# Altium PCB PCB.PcbDoc (part 5 of 11) (continued)
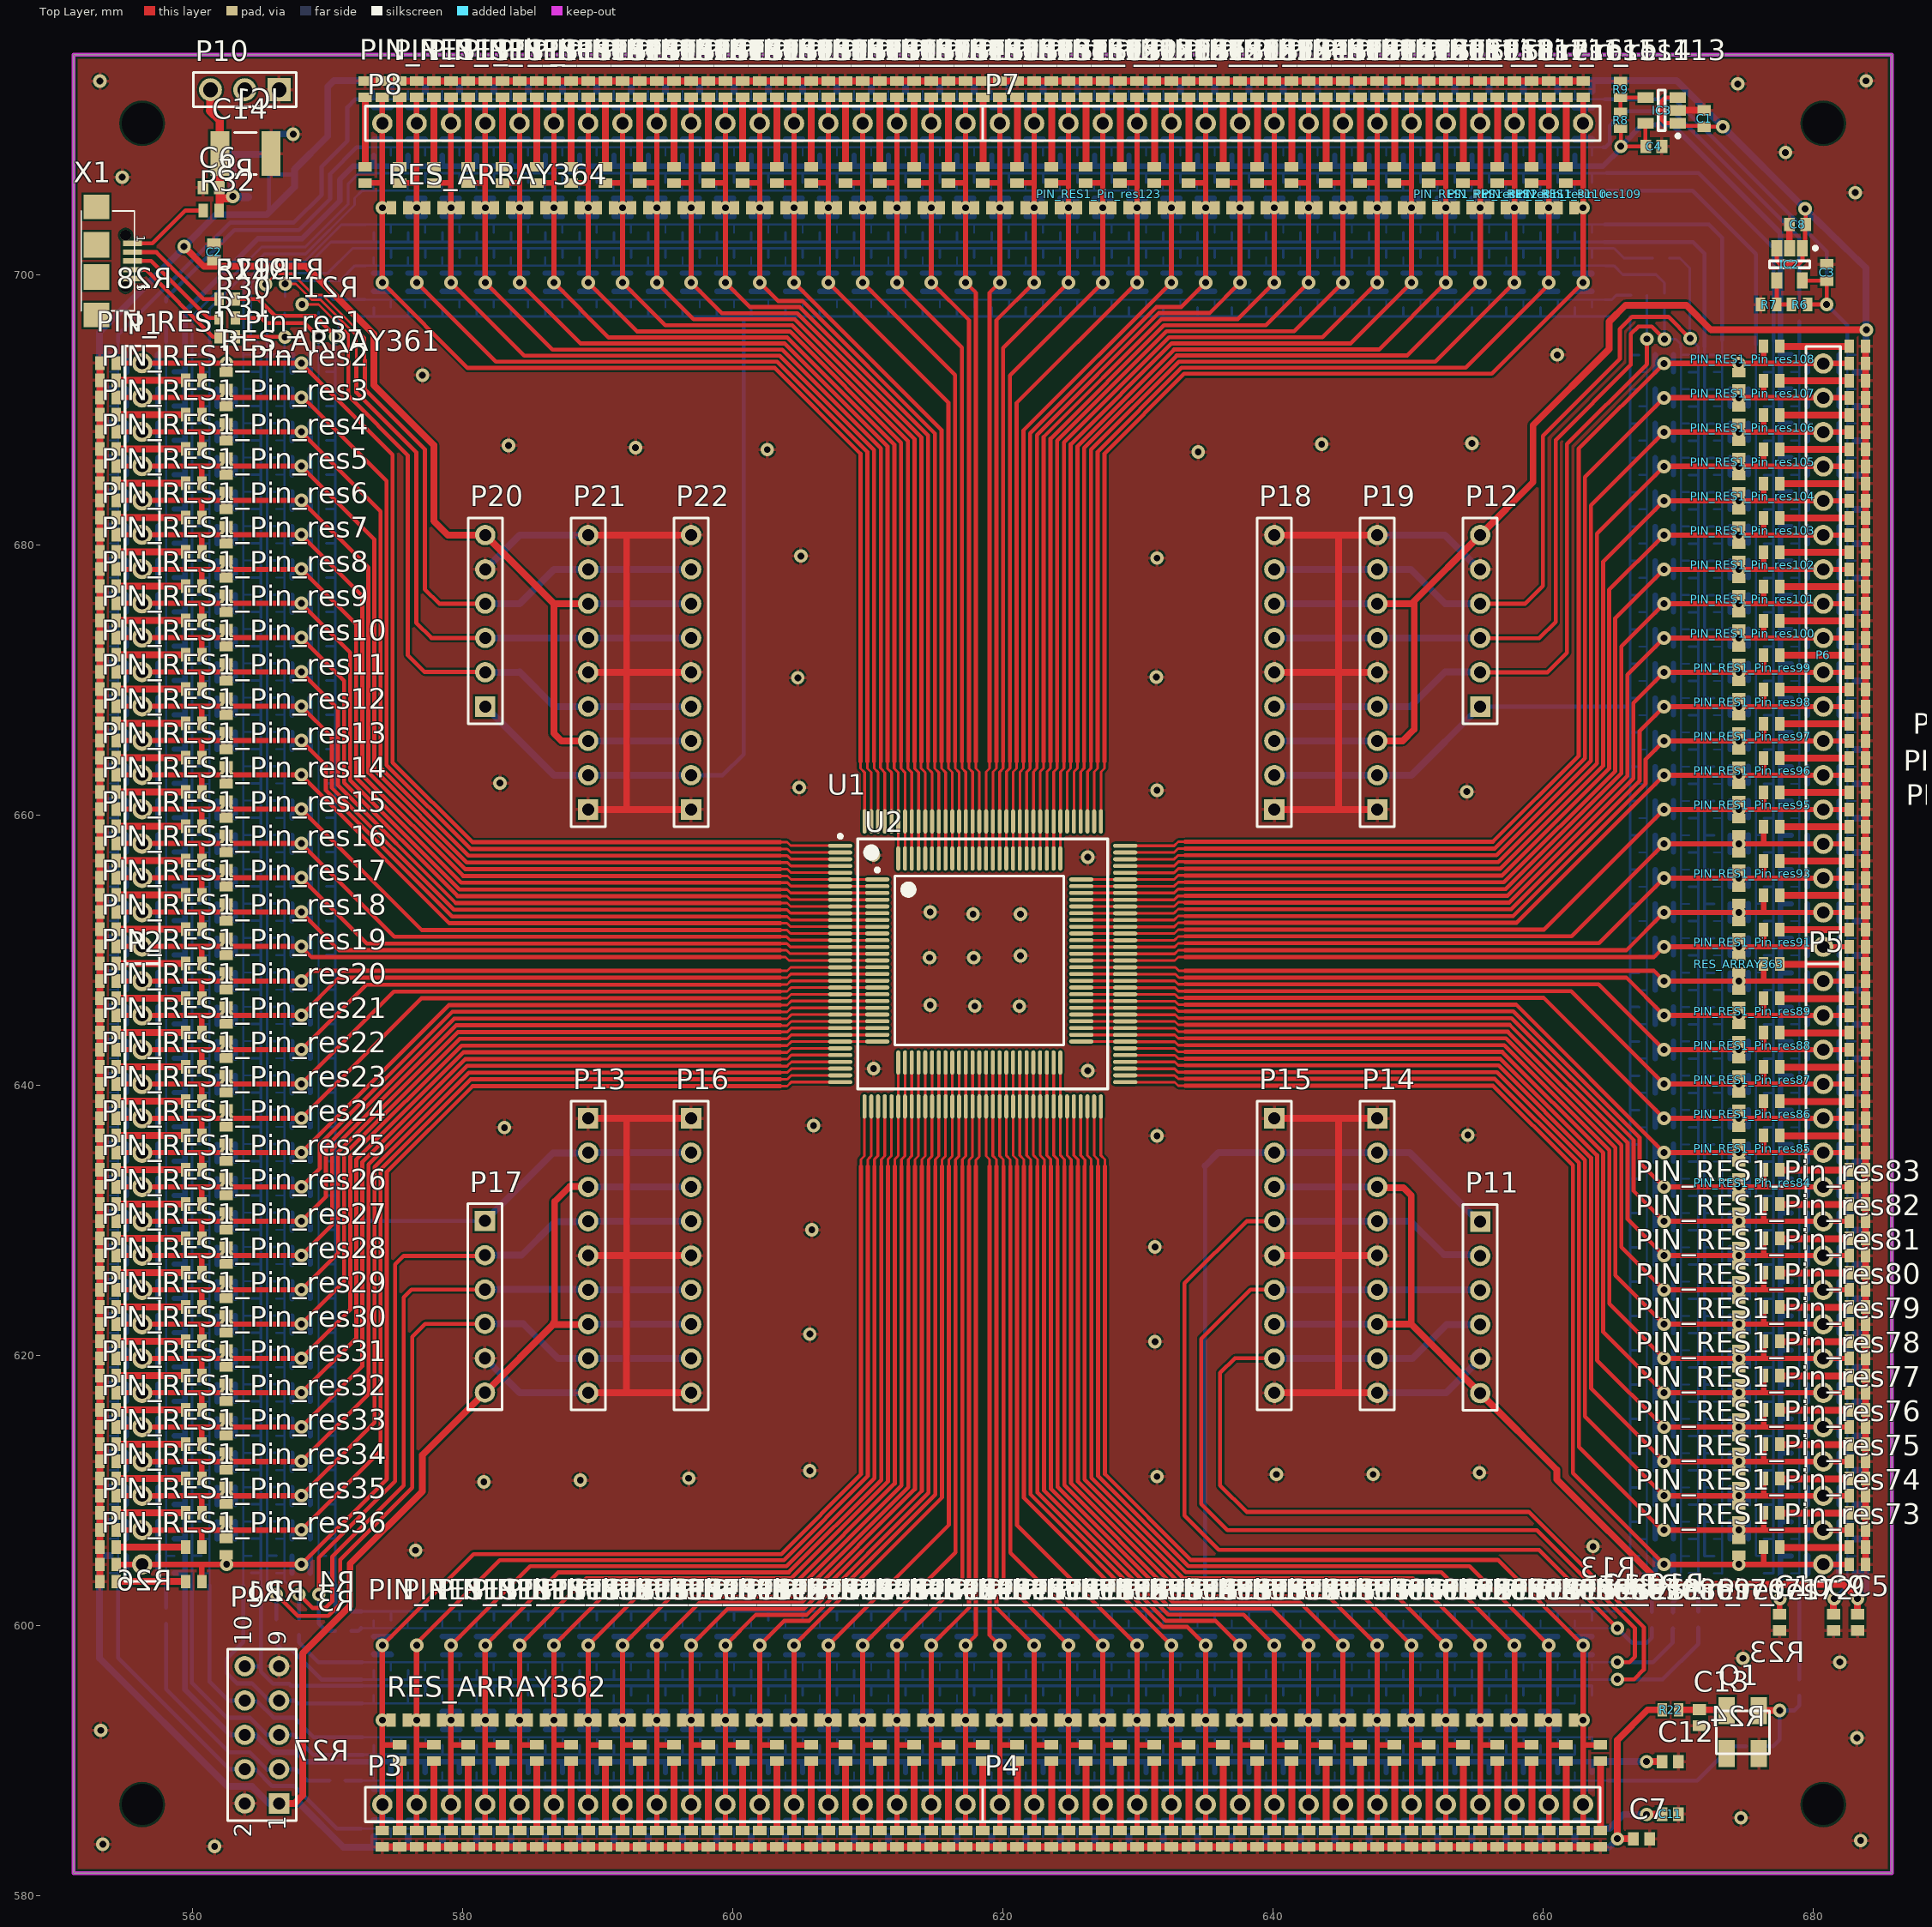
[diagram p0: Top Layer view]
## Nets (pads, with @x,y where several pads share a name; then routed paths per layer and width w, separated by ;. In a path a pad name is that pad's centre, name@x,y a point inside that pad or via, vN(x,y) a via of type N, cw(c..) or ccw(c..) an arc to the next point about the centre after c; other vN are vias at no path point) (continued)
IO8: P13.4 P16.4 P17.2 PIN_RES1_Pin_res1.12 PIN_RES1_Pin_res2.12 PIN_RES1_Pin_res3.12 PIN_RES1_Pin_res4.12 PIN_RES1_Pin_res5.12 PIN_RES1_Pin_res6.12 PIN_RES1_Pin_res7.12 PIN_RES1_Pin_res8.12 PIN_RES1_Pin_res9.12 PIN_RES1_Pin_res10.12 PIN_RES1_Pin_res11.12 PIN_RES1_Pin_res12.12 PIN_RES1_Pin_res13.12 PIN_RES1_Pin_res14.12 PIN_RES1_Pin_res15.12 PIN_RES1_Pin_res16.12 PIN_RES1_Pin_res17.12 PIN_RES1_Pin_res18.12 PIN_RES1_Pin_res19.12 PIN_RES1_Pin_res20.12 PIN_RES1_Pin_res21.12 PIN_RES1_Pin_res22.12 PIN_RES1_Pin_res23.12 PIN_RES1_Pin_res24.12 PIN_RES1_Pin_res25.12 PIN_RES1_Pin_res26.12 PIN_RES1_Pin_res27.12 PIN_RES1_Pin_res28.12 PIN_RES1_Pin_res29.12 PIN_RES1_Pin_res30.12 PIN_RES1_Pin_res31.12 PIN_RES1_Pin_res32.12 PIN_RES1_Pin_res33.12 PIN_RES1_Pin_res34.12 PIN_RES1_Pin_res35.12 PIN_RES1_Pin_res36.12 R3.1 R19.1 R30.1 | length 175.9
  Top Layer w0.3: R30.1@563.159,696.798 565.074,696.798 565.455,696.417 568.3,696.417 v1(569.316,695.401) ; v1(569.341,602.285) 569.341,605.028 574.98,610.667 574.98,626.72 575.615,627.355 581.584,627.355 P17.2@581.635,627.405
  Bottom Layer w0.15: v1@569.315,695.02 569.315,694.074 ; 569.325,650.926 PIN_RES1_Pin_res18.12@569.9,650.926 ; v1(569.341,602.285) 569.315,602.311 569.315,603.276 569.315,605.155 ; PIN_RES1_Pin_res36.12@569.89,605.155 569.315,605.155 ; PIN_RES1_Pin_res35.12@569.89,607.695 569.315,607.695 ; PIN_RES1_Pin_res34.12@569.89,610.235 569.315,610.235 ; PIN_RES1_Pin_res33.12@569.89,612.775 569.315,612.775 ; PIN_RES1_Pin_res32.12@569.89,615.315 569.315,615.315 ; PIN_RES1_Pin_res31.12@569.89,617.855 569.315,617.855 ; PIN_RES1_Pin_res30.12@569.89,620.395 569.315,620.395 ; PIN_RES1_Pin_res29.12@569.89,622.935 569.315,622.935 ; PIN_RES1_Pin_res28.12@569.89,625.475 569.315,625.475 ; PIN_RES1_Pin_res27.12@569.89,628.015 569.315,628.015 ; PIN_RES1_Pin_res26.12@569.89,630.555 569.315,630.555 ; PIN_RES1_Pin_res25.12@569.89,633.095 569.315,633.095 ; PIN_RES1_Pin_res24.12@569.89,635.635 569.315,635.635 ; PIN_RES1_Pin_res23.12@569.89,638.175 569.315,638.175 ; PIN_RES1_Pin_res22.12@569.89,640.715 569.315,640.715 ; PIN_RES1_Pin_res21.12@569.89,643.255 569.315,643.255 ; PIN_RES1_Pin_res20.12@569.89,645.795 569.315,645.795 ; PIN_RES1_Pin_res19.12@569.89,648.335 569.315,648.335 ; PIN_RES1_Pin_res17.12@569.89,653.44 569.315,653.44 ; PIN_RES1_Pin_res16.12@569.89,655.98 569.315,655.98 ; PIN_RES1_Pin_res15.12@569.89,658.52 569.315,658.52 ; PIN_RES1_Pin_res14.12@569.89,661.06 569.315,661.06 ; PIN_RES1_Pin_res13.12@569.89,663.6 569.315,663.6 ; PIN_RES1_Pin_res12.12@569.89,666.14 569.315,666.14 ; PIN_RES1_Pin_res11.12@569.89,668.68 569.315,668.68 ; PIN_RES1_Pin_res10.12@569.89,671.22 569.315,671.22 ; PIN_RES1_Pin_res9.12@569.89,673.76 569.315,673.76 ; PIN_RES1_Pin_res8.12@569.89,676.3 569.315,676.3 ; PIN_RES1_Pin_res7.12@569.89,678.84 569.315,678.84 ; PIN_RES1_Pin_res6.12@569.89,681.38 569.315,681.38 ; PIN_RES1_Pin_res5.12@569.89,683.92 569.315,683.92 ; PIN_RES1_Pin_res4.12@569.89,686.46 569.315,686.46 ; PIN_RES1_Pin_res3.12@569.89,689 569.315,689 ; PIN_RES1_Pin_res2.12@569.89,691.54 569.865,691.565 569.315,691.565 ; PIN_RES1_Pin_res1.12@569.89,694.08 569.322,694.08 569.315,694.074 ; 569.315,605.155 569.315,607.695 ; 569.315,607.695 569.315,610.235 ; 569.315,610.235 569.315,612.775 ; 569.315,612.775 569.315,615.315 ; 569.315,615.315 569.315,617.855 ; 569.315,617.855 569.315,620.395 ; 569.315,620.395 569.315,622.935 ; 569.315,622.935 569.315,625.475 ; 569.315,625.475 569.315,628.015 ; 569.315,628.015 569.315,630.555 ; 569.315,630.555 569.315,633.095 ; 569.315,633.095 569.315,635.635 ; 569.315,635.635 569.315,638.175 ; 569.315,638.175 569.315,640.715 ; 569.315,640.715 569.315,643.255 ; 569.315,643.255 569.315,645.795 ; 569.315,645.795 569.315,648.335 ; 569.315,648.335 569.315,653.44 ; 569.315,653.44 569.315,655.98 ; 569.315,655.98 569.315,658.52 ; 569.315,658.52 569.315,661.06 ; 569.315,661.06 569.315,663.6 ; 569.315,663.6 569.315,666.14 ; 569.315,666.14 569.315,668.68 ; 569.315,668.68 569.315,671.22 ; 569.315,671.22 569.315,673.76 ; 569.315,673.76 569.315,676.3 ; 569.315,676.3 569.315,678.84 ; 569.315,678.84 569.315,681.38 ; 569.315,681.38 569.315,683.92 ; 569.315,683.92 569.315,686.46 ; 569.315,686.46 569.315,689 ; 569.315,689 569.315,691.565 ; 569.315,691.565 569.315,694.074
  Bottom Layer w0.2: v1@569.315,695.02 v1(569.316,695.401) ; v1@569.315,695.427 R19.1@569.315,697.205
  Bottom Layer w0.3: v1(569.341,602.285) 569.341,600.126 569.874,599.592 R3.1@570.544,599.592
  Bottom Layer w0.5: P17.2@581.635,627.405 584.352,627.405 586.842,629.895 P13.4@589.28,629.895 ; P13.4@589.28,629.92 P16.4@596.9,629.92
IO8_1: P11.2 P14.4 P15.4 PIN_RES1_Pin_res37.12 PIN_RES1_Pin_res38.12 PIN_RES1_Pin_res39.12 PIN_RES1_Pin_res40.12 PIN_RES1_Pin_res41.12 PIN_RES1_Pin_res42.12 PIN_RES1_Pin_res43.12 PIN_RES1_Pin_res44.12 PIN_RES1_Pin_res45.12 PIN_RES1_Pin_res46.12 PIN_RES1_Pin_res47.12 PIN_RES1_Pin_res48.12 PIN_RES1_Pin_res49.12 PIN_RES1_Pin_res50.12 PIN_RES1_Pin_res51.12 PIN_RES1_Pin_res52.12 PIN_RES1_Pin_res53.12 PIN_RES1_Pin_res54.12 PIN_RES1_Pin_res55.12 PIN_RES1_Pin_res56.12 PIN_RES1_Pin_res57.12 PIN_RES1_Pin_res58.12 PIN_RES1_Pin_res59.12 PIN_RES1_Pin_res60.12 PIN_RES1_Pin_res61.12 PIN_RES1_Pin_res62.12 PIN_RES1_Pin_res63.12 PIN_RES1_Pin_res64.12 PIN_RES1_Pin_res65.12 PIN_RES1_Pin_res66.12 PIN_RES1_Pin_res67.12 PIN_RES1_Pin_res68.12 PIN_RES1_Pin_res69.12 PIN_RES1_Pin_res70.12 PIN_RES1_Pin_res71.12 PIN_RES1_Pin_res72.12 R3.2 R12.2 | length 196
  Top Layer w0.3: P15.4@640.08,629.92 638.023,629.92 633.425,625.323 633.425,608.127 635.965,605.587 659.689,605.587 v1(665.48,599.796)
  Bottom Layer w0.15: 572.465,599.795 573.405,599.795 573.412,599.795 ; PIN_RES1_Pin_res37.12@573.405,600.37 573.405,599.802 573.412,599.795 ; PIN_RES1_Pin_res38.12@575.945,600.37 575.92,600.345 575.92,599.795 ; PIN_RES1_Pin_res39.12@578.485,600.37 578.485,599.795 ; PIN_RES1_Pin_res40.12@581.025,600.37 581.025,599.795 ; PIN_RES1_Pin_res41.12@583.565,600.37 583.565,599.795 ; PIN_RES1_Pin_res42.12@586.105,600.37 586.105,599.795 ; PIN_RES1_Pin_res43.12@588.645,600.37 588.645,599.795 ; PIN_RES1_Pin_res44.12@591.185,600.37 591.185,599.795 ; PIN_RES1_Pin_res45.12@593.725,600.37 593.725,599.795 ; PIN_RES1_Pin_res46.12@596.265,600.37 596.265,599.795 ; PIN_RES1_Pin_res47.12@598.805,600.37 598.805,599.795 ; PIN_RES1_Pin_res48.12@601.345,600.37 601.345,599.795 ; PIN_RES1_Pin_res49.12@603.885,600.37 603.885,599.795 ; PIN_RES1_Pin_res50.12@606.425,600.37 606.425,599.795 ; PIN_RES1_Pin_res51.12@608.965,600.37 608.965,599.795 ; PIN_RES1_Pin_res52.12@611.505,600.37 611.505,599.795 ; PIN_RES1_Pin_res53.12@614.045,600.37 614.045,599.795 ; 616.56,599.805 PIN_RES1_Pin_res54.12@616.56,600.38 ; PIN_RES1_Pin_res55.12@619.15,600.37 619.15,599.795 ; PIN_RES1_Pin_res56.12@621.69,600.37 621.69,599.795 ; PIN_RES1_Pin_res57.12@624.23,600.37 624.23,599.795 ; PIN_RES1_Pin_res58.12@626.77,600.37 626.77,599.795 ; PIN_RES1_Pin_res59.12@629.31,600.37 629.31,599.795 ; PIN_RES1_Pin_res60.12@631.85,600.37 631.85,599.795 ; PIN_RES1_Pin_res61.12@634.39,600.37 634.39,599.795 ; PIN_RES1_Pin_res62.12@636.93,600.37 636.93,599.795 ; PIN_RES1_Pin_res63.12@639.47,600.37 639.47,599.795 ; PIN_RES1_Pin_res64.12@642.01,600.37 642.01,599.795 ; PIN_RES1_Pin_res65.12@644.55,600.37 644.55,599.795 ; PIN_RES1_Pin_res66.12@647.09,600.37 647.09,599.795 ; PIN_RES1_Pin_res67.12@649.63,600.37 649.63,599.795 ; PIN_RES1_Pin_res68.12@652.17,600.37 652.17,599.795 ; PIN_RES1_Pin_res69.12@654.71,600.37 654.71,599.795 ; PIN_RES1_Pin_res70.12@657.25,600.37 657.25,599.795 ; PIN_RES1_Pin_res71.12@659.79,600.37 659.79,599.795 ; PIN_RES1_Pin_res72.12@662.33,600.37 662.33,599.795 ; v1(665.48,599.796) 664.21,599.795 662.33,599.795 ; 573.412,599.795 575.92,599.795 ; 575.92,599.795 578.485,599.795 ; 578.485,599.795 581.025,599.795 ; 581.025,599.795 583.565,599.795 ; 583.565,599.795 586.105,599.795 ; 586.105,599.795 588.645,599.795 ; 588.645,599.795 591.185,599.795 ; 591.185,599.795 593.725,599.795 ; 593.725,599.795 596.265,599.795 ; 596.265,599.795 598.805,599.795 ; 598.805,599.795 601.345,599.795 ; 601.345,599.795 603.885,599.795 ; 603.885,599.795 606.425,599.795 ; 606.425,599.795 608.965,599.795 ; 608.965,599.795 611.505,599.795 ; 611.505,599.795 614.045,599.795 ; 614.045,599.795 619.15,599.795 ; 619.15,599.795 621.69,599.795 ; 621.69,599.795 624.23,599.795 ; 624.23,599.795 626.77,599.795 ; 626.77,599.795 629.31,599.795 ; 629.31,599.795 631.85,599.795 ; 631.85,599.795 634.39,599.795 ; 634.39,599.795 636.93,599.795 ; 636.93,599.795 639.47,599.795 ; 639.47,599.795 642.01,599.795 ; 642.01,599.795 644.55,599.795 ; 644.55,599.795 647.09,599.795 ; 647.09,599.795 649.63,599.795 ; 649.63,599.795 652.17,599.795 ; 652.17,599.795 654.71,599.795 ; 654.71,599.795 657.25,599.795 ; 657.25,599.795 659.79,599.795 ; 659.79,599.795 662.33,599.795
  Bottom Layer w0.3: R3.2@571.744,599.592 572.262,599.592 572.465,599.795 ; v1(665.48,599.796) 666.572,598.703 667.639,598.703 668.02,599.084 R12.2@668.02,599.805
  Bottom Layer w0.5: P15.4@640.08,629.92 P14.4@647.7,629.92 650.164,629.92 652.628,627.456 655.218,627.456 P11.2@655.32,627.355
IO8_2: P12.2 P18.4 P19.4 PIN_RES1_Pin_res73.12 PIN_RES1_Pin_res74.12 PIN_RES1_Pin_res75.12 PIN_RES1_Pin_res76.12 PIN_RES1_Pin_res77.12 PIN_RES1_Pin_res78.12 PIN_RES1_Pin_res79.12 PIN_RES1_Pin_res80.12 PIN_RES1_Pin_res81.12 PIN_RES1_Pin_res82.12 PIN_RES1_Pin_res83.12 PIN_RES1_Pin_res84.12 PIN_RES1_Pin_res85.12 PIN_RES1_Pin_res86.12 PIN_RES1_Pin_res87.12 PIN_RES1_Pin_res88.12 PIN_RES1_Pin_res89.12 PIN_RES1_Pin_res90.12 PIN_RES1_Pin_res91.12 PIN_RES1_Pin_res92.12 PIN_RES1_Pin_res93.12 PIN_RES1_Pin_res94.12 PIN_RES1_Pin_res95.12 PIN_RES1_Pin_res96.12 PIN_RES1_Pin_res97.12 PIN_RES1_Pin_res98.12 PIN_RES1_Pin_res99.12 PIN_RES1_Pin_res100.12 PIN_RES1_Pin_res101.12 PIN_RES1_Pin_res102.12 PIN_RES1_Pin_res103.12 PIN_RES1_Pin_res104.12 PIN_RES1_Pin_res105.12 PIN_RES1_Pin_res106.12 PIN_RES1_Pin_res107.12 PIN_RES1_Pin_res108.12 R12.1 R18.1 | length 167.4
  Top Layer w0.3: P12.2@655.32,670.56 660.298,670.56 661.746,672.008 661.746,687.451 667.665,693.369 v1(667.665,695.24)
  Bottom Layer w0.15: PIN_RES1_Pin_res90.12@667.08,647.014 667.655,647.014 ; PIN_RES1_Pin_res73.12@667.09,603.86 667.658,603.86 667.665,603.866 ; PIN_RES1_Pin_res74.12@667.09,606.4 667.115,606.375 667.665,606.375 ; PIN_RES1_Pin_res75.12@667.09,608.94 667.665,608.94 ; PIN_RES1_Pin_res76.12@667.09,611.48 667.665,611.48 ; PIN_RES1_Pin_res77.12@667.09,614.02 667.665,614.02 ; PIN_RES1_Pin_res78.12@667.09,616.56 667.665,616.56 ; PIN_RES1_Pin_res79.12@667.09,619.1 667.665,619.1 ; PIN_RES1_Pin_res80.12@667.09,621.64 667.665,621.64 ; PIN_RES1_Pin_res81.12@667.09,624.18 667.665,624.18 ; PIN_RES1_Pin_res82.12@667.09,626.72 667.665,626.72 ; PIN_RES1_Pin_res83.12@667.09,629.26 667.665,629.26 ; PIN_RES1_Pin_res84.12@667.09,631.8 667.665,631.8 ; PIN_RES1_Pin_res85.12@667.09,634.34 667.665,634.34 ; PIN_RES1_Pin_res86.12@667.09,636.88 667.665,636.88 ; PIN_RES1_Pin_res87.12@667.09,639.42 667.665,639.42 ; PIN_RES1_Pin_res88.12@667.09,641.96 667.665,641.96 ; PIN_RES1_Pin_res89.12@667.09,644.5 667.665,644.5 ; PIN_RES1_Pin_res91.12@667.09,649.605 667.665,649.605 ; PIN_RES1_Pin_res92.12@667.09,652.145 667.665,652.145 ; PIN_RES1_Pin_res93.12@667.09,654.685 667.665,654.685 ; PIN_RES1_Pin_res94.12@667.09,657.225 667.665,657.225 ; PIN_RES1_Pin_res95.12@667.09,659.765 667.665,659.765 ; PIN_RES1_Pin_res96.12@667.09,662.305 667.665,662.305 ; PIN_RES1_Pin_res97.12@667.09,664.845 667.665,664.845 ; PIN_RES1_Pin_res98.12@667.09,667.385 667.665,667.385 ; PIN_RES1_Pin_res99.12@667.09,669.925 667.665,669.925 ; PIN_RES1_Pin_res100.12@667.09,672.465 667.665,672.465 ; PIN_RES1_Pin_res101.12@667.09,675.005 667.665,675.005 ; PIN_RES1_Pin_res102.12@667.09,677.545 667.665,677.545 ; PIN_RES1_Pin_res103.12@667.09,680.085 667.665,680.085 ; PIN_RES1_Pin_res104.12@667.09,682.625 667.665,682.625 ; PIN_RES1_Pin_res105.12@667.09,685.165 667.665,685.165 ; PIN_RES1_Pin_res106.12@667.09,687.705 667.665,687.705 ; PIN_RES1_Pin_res107.12@667.09,690.245 667.665,690.245 ; PIN_RES1_Pin_res108.12@667.09,692.785 667.665,692.785 ; R18.1@667.639,698.433 R18.1@667.68,698.475 ; 667.665,602.92 667.665,603.86 667.665,603.866 ; 667.665,694.664 667.665,692.785 ; 667.665,603.866 667.665,606.374 ; 667.665,606.375 667.665,608.94 ; 667.665,608.94 667.665,611.48 ; 667.665,611.48 667.665,614.02 ; 667.665,614.02 667.665,616.56 ; 667.665,616.56 667.665,619.1 ; 667.665,619.1 667.665,621.64 ; 667.665,621.64 667.665,624.18 ; 667.665,624.18 667.665,626.72 ; 667.665,626.72 667.665,629.26 ; 667.665,629.26 667.665,631.8 ; 667.665,631.8 667.665,634.34 ; 667.665,634.34 667.665,636.88 ; 667.665,636.88 667.665,639.42 ; 667.665,639.42 667.665,641.96 ; 667.665,641.96 667.665,644.5 ; 667.665,644.5 667.665,649.605 ; 667.665,649.605 667.665,652.145 ; 667.665,652.145 667.665,654.685 ; 667.665,654.685 667.665,657.225 ; 667.665,657.225 667.665,659.765 ; 667.665,659.765 667.665,662.305 ; 667.665,662.305 667.665,664.845 ; 667.665,664.845 667.665,667.385 ; 667.665,667.385 667.665,669.925 ; 667.665,669.925 667.665,672.465 ; 667.665,672.465 667.665,675.005 ; 667.665,675.005 667.665,677.545 ; 667.665,677.545 667.665,680.085 ; 667.665,680.085 667.665,682.625 ; 667.665,682.625 667.665,685.165 ; 667.665,685.165 667.665,687.705 ; 667.665,687.705 667.665,690.245 ; 667.665,690.245 667.665,692.785
  Bottom Layer w0.2: R18.1@667.639,698.433 667.664,698.408 667.664,695.626 v1(667.665,695.24) 667.665,694.664
  Bottom Layer w0.3: 667.664,602.919 667.664,602.386 668.02,602.031 R12.1@668.02,601.005
  Bottom Layer w0.5: P18.4@640.08,668.02 P19.4@647.7,668.02 650.164,668.02 652.729,670.585 655.295,670.585 P12.2@655.32,670.56
IO8_3: P20.2 P21.4 P22.4 PIN_RES1_Pin_res109.12 PIN_RES1_Pin_res110.12 PIN_RES1_Pin_res111.12 PIN_RES1_Pin_res112.12 PIN_RES1_Pin_res113.12 PIN_RES1_Pin_res114.12 PIN_RES1_Pin_res115.12 PIN_RES1_Pin_res116.12 PIN_RES1_Pin_res117.12 PIN_RES1_Pin_res118.12 PIN_RES1_Pin_res119.12 PIN_RES1_Pin_res120.12 PIN_RES1_Pin_res121.12 PIN_RES1_Pin_res122.12 PIN_RES1_Pin_res123.12 PIN_RES1_Pin_res124.12 PIN_RES1_Pin_res125.12 PIN_RES1_Pin_res126.12 PIN_RES1_Pin_res127.12 PIN_RES1_Pin_res128.12 PIN_RES1_Pin_res129.12 PIN_RES1_Pin_res130.12 PIN_RES1_Pin_res131.12 PIN_RES1_Pin_res132.12 PIN_RES1_Pin_res133.12 PIN_RES1_Pin_res134.12 PIN_RES1_Pin_res135.12 PIN_RES1_Pin_res136.12 PIN_RES1_Pin_res137.12 PIN_RES1_Pin_res138.12 PIN_RES1_Pin_res139.12 PIN_RES1_Pin_res140.12 PIN_RES1_Pin_res141.12 PIN_RES1_Pin_res142.12 PIN_RES1_Pin_res143.12 PIN_RES1_Pin_res144.12 R18.2 R19.2 | length 172
  Top Layer w0.2: v1(568.096,697.789) 569.316,697.789 571.525,695.579 571.525,693.572
  Top Layer w0.3: 571.525,693.572 571.525,691.032 575.92,686.638 575.92,671.83 577.164,670.585 581.635,670.585 P20.2@581.66,670.56
  Bottom Layer w0.15: 572.796,698.145 574.675,698.145 ; PIN_RES1_Pin_res144.12@574.675,697.57 574.675,698.145 ; PIN_RES1_Pin_res143.12@577.215,697.57 577.215,698.145 ; PIN_RES1_Pin_res142.12@579.755,697.57 579.755,698.145 ; PIN_RES1_Pin_res141.12@582.295,697.57 582.295,698.145 ; PIN_RES1_Pin_res140.12@584.835,697.57 584.835,698.145 ; PIN_RES1_Pin_res139.12@587.375,697.57 587.375,698.145 ; PIN_RES1_Pin_res138.12@589.915,697.57 589.915,698.145 ; PIN_RES1_Pin_res137.12@592.455,697.57 592.455,698.145 ; PIN_RES1_Pin_res136.12@594.995,697.57 594.995,698.145 ; PIN_RES1_Pin_res135.12@597.535,697.57 597.535,698.145 ; PIN_RES1_Pin_res134.12@600.075,697.57 600.075,698.145 ; PIN_RES1_Pin_res133.12@602.615,697.57 602.615,698.145 ; PIN_RES1_Pin_res132.12@605.155,697.57 605.155,698.145 ; PIN_RES1_Pin_res131.12@607.695,697.57 607.695,698.145 ; PIN_RES1_Pin_res130.12@610.235,697.57 610.235,698.145 ; PIN_RES1_Pin_res129.12@612.775,697.57 612.775,698.145 ; PIN_RES1_Pin_res128.12@615.315,697.57 615.315,698.145 ; PIN_RES1_Pin_res127.12@617.855,697.57 617.855,698.145 ; PIN_RES1_Pin_res126.12@620.446,697.57 620.446,698.135 ; PIN_RES1_Pin_res125.12@622.96,697.57 622.96,698.145 ; PIN_RES1_Pin_res124.12@625.5,697.57 625.5,698.145 ; PIN_RES1_Pin_res123.12@628.04,697.57 628.04,698.145 ; PIN_RES1_Pin_res122.12@630.58,697.57 630.58,698.145 ; PIN_RES1_Pin_res121.12@633.12,697.57 633.12,698.145 ; PIN_RES1_Pin_res120.12@635.66,697.57 635.66,698.145 ; PIN_RES1_Pin_res119.12@638.2,697.57 638.2,698.145 ; PIN_RES1_Pin_res118.12@640.74,697.57 640.74,698.145 ; PIN_RES1_Pin_res117.12@643.28,697.57 643.28,698.145 ; PIN_RES1_Pin_res116.12@645.82,697.57 645.82,698.145 ; PIN_RES1_Pin_res115.12@648.36,697.57 648.36,698.145 ; PIN_RES1_Pin_res114.12@650.9,697.57 650.9,698.145 ; PIN_RES1_Pin_res113.12@653.44,697.57 653.44,698.145 ; PIN_RES1_Pin_res112.12@655.98,697.57 655.98,698.145 ; PIN_RES1_Pin_res111.12@658.52,697.57 658.52,698.145 ; PIN_RES1_Pin_res110.12@661.06,697.57 661.085,697.595 661.085,698.145 ; 663.593,698.145 661.085,698.145 ; 663.594,698.145 664.54,698.145 ; PIN_RES1_Pin_res109.12@663.6,697.57 663.6,698.138 ; 574.675,698.145 577.215,698.145 ; 577.215,698.145 579.755,698.145 ; 579.755,698.145 582.295,698.145 ; 582.295,698.145 584.835,698.145 ; 584.835,698.145 587.375,698.145 ; 587.375,698.145 589.915,698.145 ; 589.915,698.145 592.455,698.145 ; 592.455,698.145 594.995,698.145 ; 594.995,698.145 597.535,698.145 ; 597.535,698.145 600.075,698.145 ; 600.075,698.145 602.615,698.145 ; 602.615,698.145 605.155,698.145 ; 605.155,698.145 607.695,698.145 ; 607.695,698.145 610.235,698.145 ; 610.235,698.145 612.775,698.145 ; 612.775,698.145 615.315,698.145 ; 615.315,698.145 617.855,698.145 ; 617.855,698.145 622.96,698.145 ; 622.96,698.145 625.5,698.145 ; 625.5,698.145 628.04,698.145 ; 628.04,698.145 630.58,698.145 ; 630.58,698.145 633.12,698.145 ; 633.12,698.145 635.66,698.145 ; 635.66,698.145 638.2,698.145 ; 638.2,698.145 640.74,698.145 ; 640.74,698.145 643.28,698.145 ; 643.28,698.145 645.82,698.145 ; 645.82,698.145 648.36,698.145 ; 648.36,698.145 650.9,698.145 ; 650.9,698.145 653.44,698.145 ; 653.44,698.145 655.98,698.145 ; 655.98,698.145 658.52,698.145 ; 658.52,698.145 661.085,698.145
  Bottom Layer w0.2: v1(568.096,697.789) 568.671,698.363 R19.2@569.316,698.363 569.357,698.322 570.205,698.322 570.373,698.154 572.786,698.154 ; 664.541,698.144 665.074,698.144 665.404,698.475 R18.2@666.48,698.475
  Bottom Layer w0.5: P20.2@581.66,670.56 584.175,670.56 584.2,670.585 586.765,668.02 P21.4@589.28,668.02 P22.4@596.9,668.02
IO9: P13.2 P16.2 P17.1 PIN_RES1_Pin_res1.13 PIN_RES1_Pin_res2.13 PIN_RES1_Pin_res3.13 PIN_RES1_Pin_res4.13 PIN_RES1_Pin_res5.13 PIN_RES1_Pin_res6.13 PIN_RES1_Pin_res7.13 PIN_RES1_Pin_res8.13 PIN_RES1_Pin_res9.13 PIN_RES1_Pin_res10.13 PIN_RES1_Pin_res11.13 PIN_RES1_Pin_res12.13 PIN_RES1_Pin_res13.13 PIN_RES1_Pin_res14.13 PIN_RES1_Pin_res15.13 PIN_RES1_Pin_res16.13 PIN_RES1_Pin_res17.13 PIN_RES1_Pin_res18.13 PIN_RES1_Pin_res19.13 PIN_RES1_Pin_res20.13 PIN_RES1_Pin_res21.13 PIN_RES1_Pin_res22.13 PIN_RES1_Pin_res23.13 PIN_RES1_Pin_res24.13 PIN_RES1_Pin_res25.13 PIN_RES1_Pin_res26.13 PIN_RES1_Pin_res27.13 PIN_RES1_Pin_res28.13 PIN_RES1_Pin_res29.13 PIN_RES1_Pin_res30.13 PIN_RES1_Pin_res31.13 PIN_RES1_Pin_res32.13 PIN_RES1_Pin_res33.13 PIN_RES1_Pin_res34.13 PIN_RES1_Pin_res35.13 PIN_RES1_Pin_res36.13 R4.1 R21.1 R29.1 | length 157
  Top Layer w0.3: R29.1@563.159,698.195 564.845,698.195 566.09,696.951 569.062,696.951 570.484,695.528 570.484,695.401 v1(570.586,695.401)
  Bottom Layer w0.2: PIN_RES1_Pin_res36.13@569.89,603.885 570.56,603.885 ; PIN_RES1_Pin_res35.13@569.89,606.425 570.56,606.425 ; PIN_RES1_Pin_res34.13@569.89,608.965 570.56,608.965 ; PIN_RES1_Pin_res33.13@569.89,611.505 570.535,611.505 ; PIN_RES1_Pin_res32.13@569.89,614.045 570.56,614.045 ; PIN_RES1_Pin_res31.13@569.89,616.585 570.56,616.585 ; PIN_RES1_Pin_res30.13@569.89,619.125 570.56,619.125 ; PIN_RES1_Pin_res29.13@569.89,621.665 570.535,621.665 ; PIN_RES1_Pin_res28.13@569.89,624.205 570.56,624.205 ; PIN_RES1_Pin_res27.13@569.89,626.745 570.56,626.745 ; PIN_RES1_Pin_res26.13@569.89,629.285 570.56,629.285 ; PIN_RES1_Pin_res25.13@569.89,631.825 570.56,631.825 ; PIN_RES1_Pin_res24.13@569.89,634.365 570.56,634.365 ; PIN_RES1_Pin_res23.13@569.89,636.905 570.56,636.905 ; PIN_RES1_Pin_res22.13@569.89,639.445 570.56,639.445 ; PIN_RES1_Pin_res21.13@569.89,641.985 570.56,641.985 ; PIN_RES1_Pin_res20.13@569.89,644.525 570.56,644.525 ; PIN_RES1_Pin_res19.13@569.89,647.065 570.56,647.065 ; PIN_RES1_Pin_res18.13@569.89,649.63 570.56,649.63 ; PIN_RES1_Pin_res17.13@569.89,652.17 569.916,652.145 570.56,652.145 ; PIN_RES1_Pin_res16.13@569.89,654.71 570.535,654.71 ; PIN_RES1_Pin_res15.13@569.89,657.25 570.56,657.25 ; PIN_RES1_Pin_res14.13@569.89,659.79 570.56,659.79 ; PIN_RES1_Pin_res13.13@569.89,662.33 570.535,662.33 ; PIN_RES1_Pin_res12.13@569.89,664.87 570.56,664.87 ; PIN_RES1_Pin_res11.13@569.89,667.41 570.535,667.41 ; PIN_RES1_Pin_res10.13@569.89,669.95 570.56,669.95 ; PIN_RES1_Pin_res9.13@569.89,672.49 570.56,672.49 ; PIN_RES1_Pin_res8.13@569.89,675.03 570.56,675.03 ; PIN_RES1_Pin_res7.13@569.89,677.57 570.56,677.57 ; PIN_RES1_Pin_res6.13@569.89,680.11 570.56,680.11 ; PIN_RES1_Pin_res5.13@569.89,682.65 570.535,682.65 ; PIN_RES1_Pin_res4.13@569.89,685.19 570.56,685.19 ; PIN_RES1_Pin_res3.13@569.89,687.73 570.535,687.73 ; PIN_RES1_Pin_res2.13@569.89,690.27 570.56,690.27 ; PIN_RES1_Pin_res1.13@569.89,692.81 570.56,692.81 ; 570.56,603.021 570.56,603.885 ; v1@570.56,695.503 570.56,692.81 ; v1(570.586,695.401) 570.824,695.639 R21.1@570.824,696.874 R21.1@570.865,696.833 ; 570.56,603.885 570.56,606.425 ; 570.56,606.425 570.56,608.965 ; 570.56,608.965 570.56,614.045 ; 570.56,614.045 570.56,616.585 ; 570.56,616.585 570.56,619.125 ; 570.56,619.125 570.56,624.205 ; 570.56,624.205 570.56,626.745 ; 570.56,626.745 570.56,629.285 ; 570.56,629.285 570.56,631.825 ; 570.56,631.825 570.56,634.365 ; 570.56,634.365 570.56,636.905 ; 570.56,636.905 570.56,639.445 ; 570.56,639.445 570.56,641.985 ; 570.56,641.985 570.56,644.525 ; 570.56,644.525 570.56,647.065 ; 570.56,647.065 570.56,649.63 ; 570.56,649.63 570.56,652.145 ; 570.56,652.145 570.56,657.25 ; 570.56,657.25 570.56,659.79 ; 570.56,659.79 570.56,664.87 ; 570.56,664.87 570.56,669.95 ; 570.56,669.95 570.56,672.49 ; 570.56,672.49 570.56,675.03 ; 570.56,675.03 570.56,677.57 ; 570.56,677.57 570.56,680.11 ; 570.56,680.11 570.56,685.19 ; 570.56,685.19 570.56,690.27 ; 570.56,690.27 570.56,692.81
  Bottom Layer w0.3: 570.56,603.021 570.56,601.05 R4.1@570.57,601.04 ; 570.687,629.945 P17.1@581.635,629.945
  Bottom Layer w0.5: P17.1@581.635,629.945 586.664,634.975 P13.2@589.28,634.975 ; P13.2@589.28,635 P16.2@596.9,635
IO9_1: P11.1 P14.2 P15.2 PIN_RES1_Pin_res37.13 PIN_RES1_Pin_res38.13 PIN_RES1_Pin_res39.13 PIN_RES1_Pin_res40.13 PIN_RES1_Pin_res41.13 PIN_RES1_Pin_res42.13 PIN_RES1_Pin_res43.13 PIN_RES1_Pin_res44.13 PIN_RES1_Pin_res45.13 PIN_RES1_Pin_res46.13 PIN_RES1_Pin_res47.13 PIN_RES1_Pin_res48.13 PIN_RES1_Pin_res49.13 PIN_RES1_Pin_res50.13 PIN_RES1_Pin_res51.13 PIN_RES1_Pin_res52.13 PIN_RES1_Pin_res53.13 PIN_RES1_Pin_res54.13 PIN_RES1_Pin_res55.13 PIN_RES1_Pin_res56.13 PIN_RES1_Pin_res57.13 PIN_RES1_Pin_res58.13 PIN_RES1_Pin_res59.13 PIN_RES1_Pin_res60.13 PIN_RES1_Pin_res61.13 PIN_RES1_Pin_res62.13 PIN_RES1_Pin_res63.13 PIN_RES1_Pin_res64.13 PIN_RES1_Pin_res65.13 PIN_RES1_Pin_res66.13 PIN_RES1_Pin_res67.13 PIN_RES1_Pin_res68.13 PIN_RES1_Pin_res69.13 PIN_RES1_Pin_res70.13 PIN_RES1_Pin_res71.13 PIN_RES1_Pin_res72.13 R4.2 R13.2 | length 174.6
  Bottom Layer w0.2: 572.491,601.04 574.675,601.04 ; PIN_RES1_Pin_res37.13@574.675,600.37 574.675,601.04 ; PIN_RES1_Pin_res38.13@577.215,600.37 577.215,601.04 ; PIN_RES1_Pin_res39.13@579.755,600.37 579.755,601.015 579.73,601.04 ; PIN_RES1_Pin_res40.13@582.295,600.37 582.295,601.04 ; PIN_RES1_Pin_res41.13@584.835,600.37 584.835,601.015 584.81,601.04 ; PIN_RES1_Pin_res42.13@587.375,600.37 587.375,601.04 ; PIN_RES1_Pin_res43.13@589.915,600.37 589.915,601.04 ; PIN_RES1_Pin_res44.13@592.455,600.37 592.455,601.04 ; PIN_RES1_Pin_res45.13@594.995,600.37 594.995,601.04 ; PIN_RES1_Pin_res46.13@597.535,600.37 597.535,601.04 ; PIN_RES1_Pin_res47.13@600.075,600.37 600.075,601.015 600.1,601.04 ; PIN_RES1_Pin_res48.13@602.615,600.37 602.615,601.04 ; PIN_RES1_Pin_res49.13@605.155,600.37 605.155,601.015 605.18,601.04 ; PIN_RES1_Pin_res50.13@607.695,600.37 607.695,601.04 ; PIN_RES1_Pin_res51.13@610.235,600.37 610.235,601.04 ; PIN_RES1_Pin_res52.13@612.775,600.37 612.775,601.015 612.75,601.04 ; PIN_RES1_Pin_res53.13@615.315,600.37 615.34,600.396 615.34,601.04 ; PIN_RES1_Pin_res54.13@617.855,600.37 617.855,601.04 ; PIN_RES1_Pin_res55.13@620.42,600.37 620.42,601.04 ; PIN_RES1_Pin_res56.13@622.96,600.37 622.96,601.04 ; PIN_RES1_Pin_res57.13@625.5,600.37 625.5,601.04 ; PIN_RES1_Pin_res58.13@628.04,600.37 628.04,601.04 ; PIN_RES1_Pin_res59.13@630.58,600.37 630.58,601.04 ; PIN_RES1_Pin_res60.13@633.12,600.37 633.12,601.04 ; PIN_RES1_Pin_res61.13@635.66,600.37 635.66,601.04 ; PIN_RES1_Pin_res62.13@638.2,600.37 638.2,601.04 ; PIN_RES1_Pin_res63.13@640.74,600.37 640.74,601.04 ; PIN_RES1_Pin_res64.13@643.28,600.37 643.28,601.04 ; PIN_RES1_Pin_res65.13@645.82,600.37 645.82,601.015 645.795,601.04 ; PIN_RES1_Pin_res66.13@648.36,600.37 648.36,601.04 ; PIN_RES1_Pin_res67.13@650.9,600.37 650.9,601.04 ; PIN_RES1_Pin_res68.13@653.44,600.37 653.44,601.04 ; PIN_RES1_Pin_res69.13@655.98,600.37 655.98,601.015 655.955,601.04 ; PIN_RES1_Pin_res70.13@658.52,600.37 658.52,601.04 ; PIN_RES1_Pin_res71.13@661.06,600.37 661.06,601.04 ; PIN_RES1_Pin_res72.13@663.6,600.37 663.6,601.04 ; R13.2@666.42,601.05 666.41,601.04 663.6,601.04 ; 574.675,601.04 577.215,601.04 ; 577.215,601.04 579.73,601.04 ; 579.73,601.04 582.295,601.04 ; 582.295,601.04 584.81,601.04 ; 584.81,601.04 587.375,601.04 ; 587.375,601.04 589.915,601.04 ; 589.915,601.04 592.455,601.04 ; 592.455,601.04 594.995,601.04 ; 594.995,601.04 597.535,601.04 ; 597.535,601.04 600.1,601.04 ; 600.1,601.04 602.615,601.04 ; 602.615,601.04 605.18,601.04 ; 605.18,601.04 607.695,601.04 ; 607.695,601.04 610.235,601.04 ; 610.235,601.04 612.75,601.04 ; 612.75,601.04 615.34,601.04 ; 615.34,601.04 617.855,601.04 ; 617.855,601.04 620.42,601.04 ; 620.42,601.04 622.96,601.04 ; 622.96,601.04 625.5,601.04 ; 625.5,601.04 628.04,601.04 ; 628.04,601.04 630.58,601.04 ; 630.58,601.04 633.12,601.04 ; 633.12,601.04 635.66,601.04 ; 635.66,601.04 638.2,601.04 ; 638.2,601.04 640.74,601.04 ; 640.74,601.04 643.28,601.04 ; 643.28,601.04 645.795,601.04 ; 645.795,601.04 648.36,601.04 ; 648.36,601.04 650.9,601.04 ; 650.9,601.04 653.44,601.04 ; 653.44,601.04 655.955,601.04 ; 655.955,601.04 658.52,601.04 ; 658.52,601.04 661.06,601.04 ; 661.06,601.04 663.6,601.04
  Bottom Layer w0.3: R4.2@571.77,601.04 572.491,601.04 ; 634.949,601.142 634.949,634.009
  Bottom Layer w0.5: 634.949,634.009 635.94,635 P15.2@640.08,635 P14.2@647.7,635 650.113,635 655.218,629.895 P11.1@655.32,629.895